# Altium PCB PCB_v1.PcbDoc (part 1 of 8)
Units mil, origin at the board's own origin, x right, y up, seen from the top; angles counter-clockwise.
Board outline 17000 x 5250 mil, 4 copper layers (Top Side, Ground Layer, Power Layer, Bottom Side), stack 33.2 mil thick; 637 components, 583 nets, 2779 pads, 978 vias.
Unrouted connection lines stored in the file: 104.
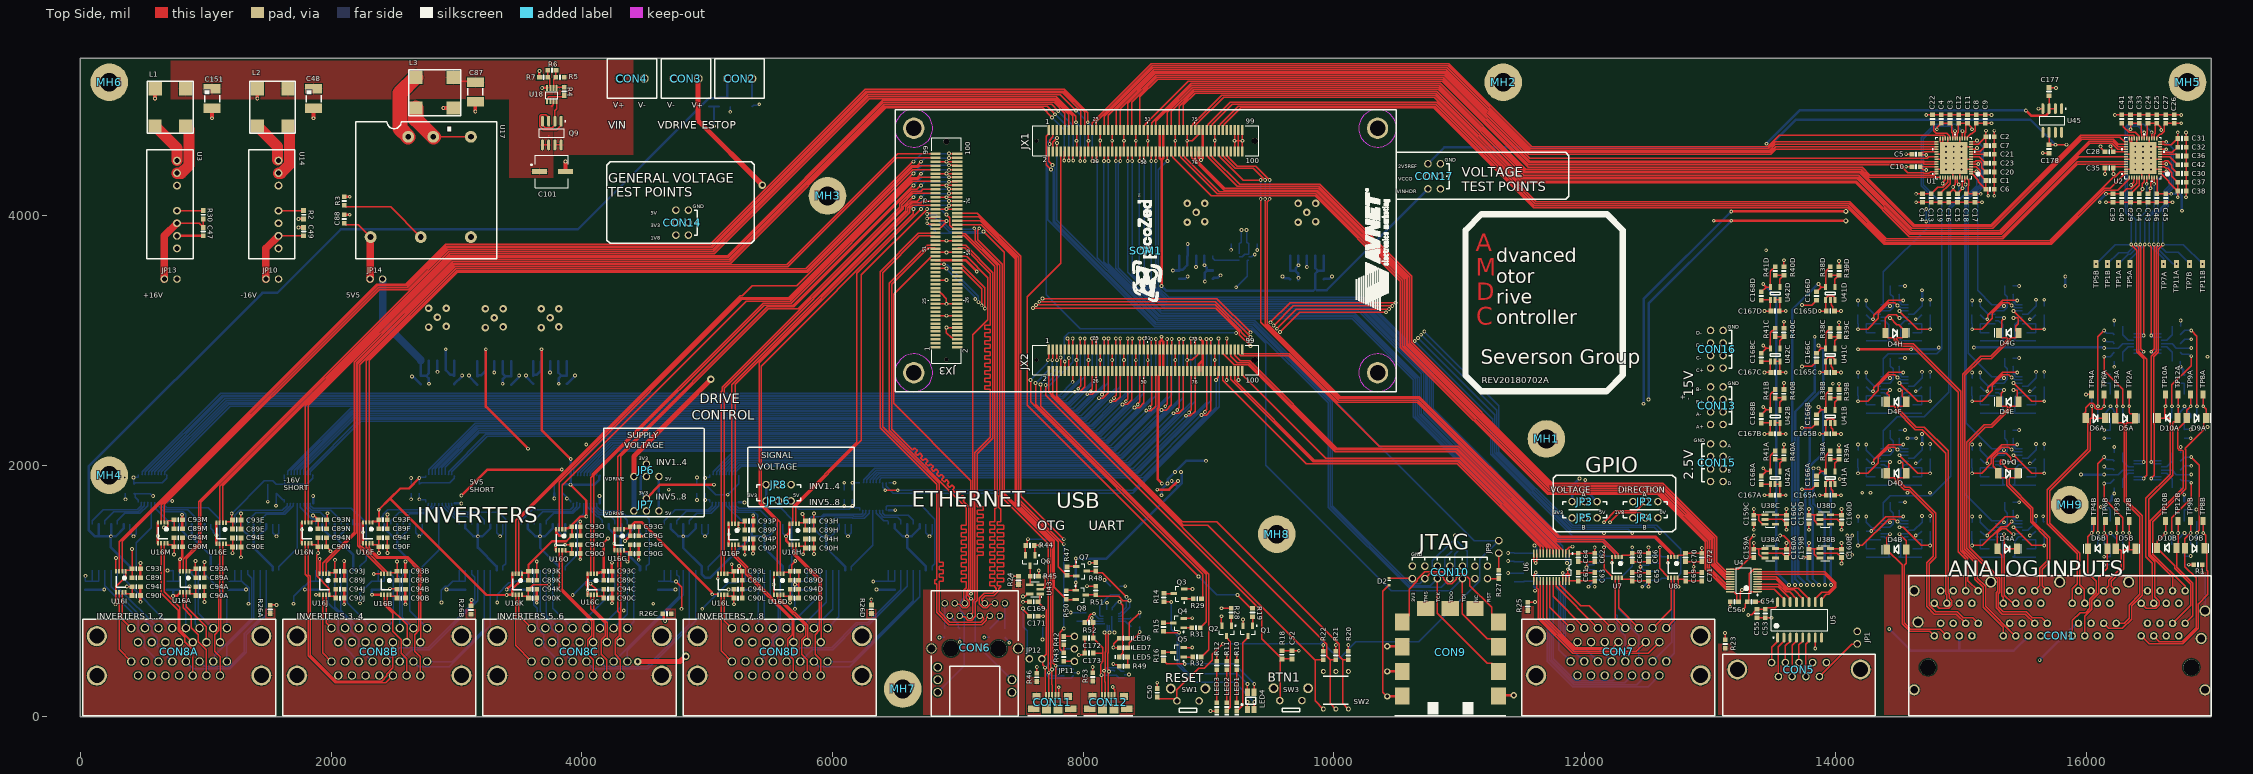
[diagram p0: Top Side view]
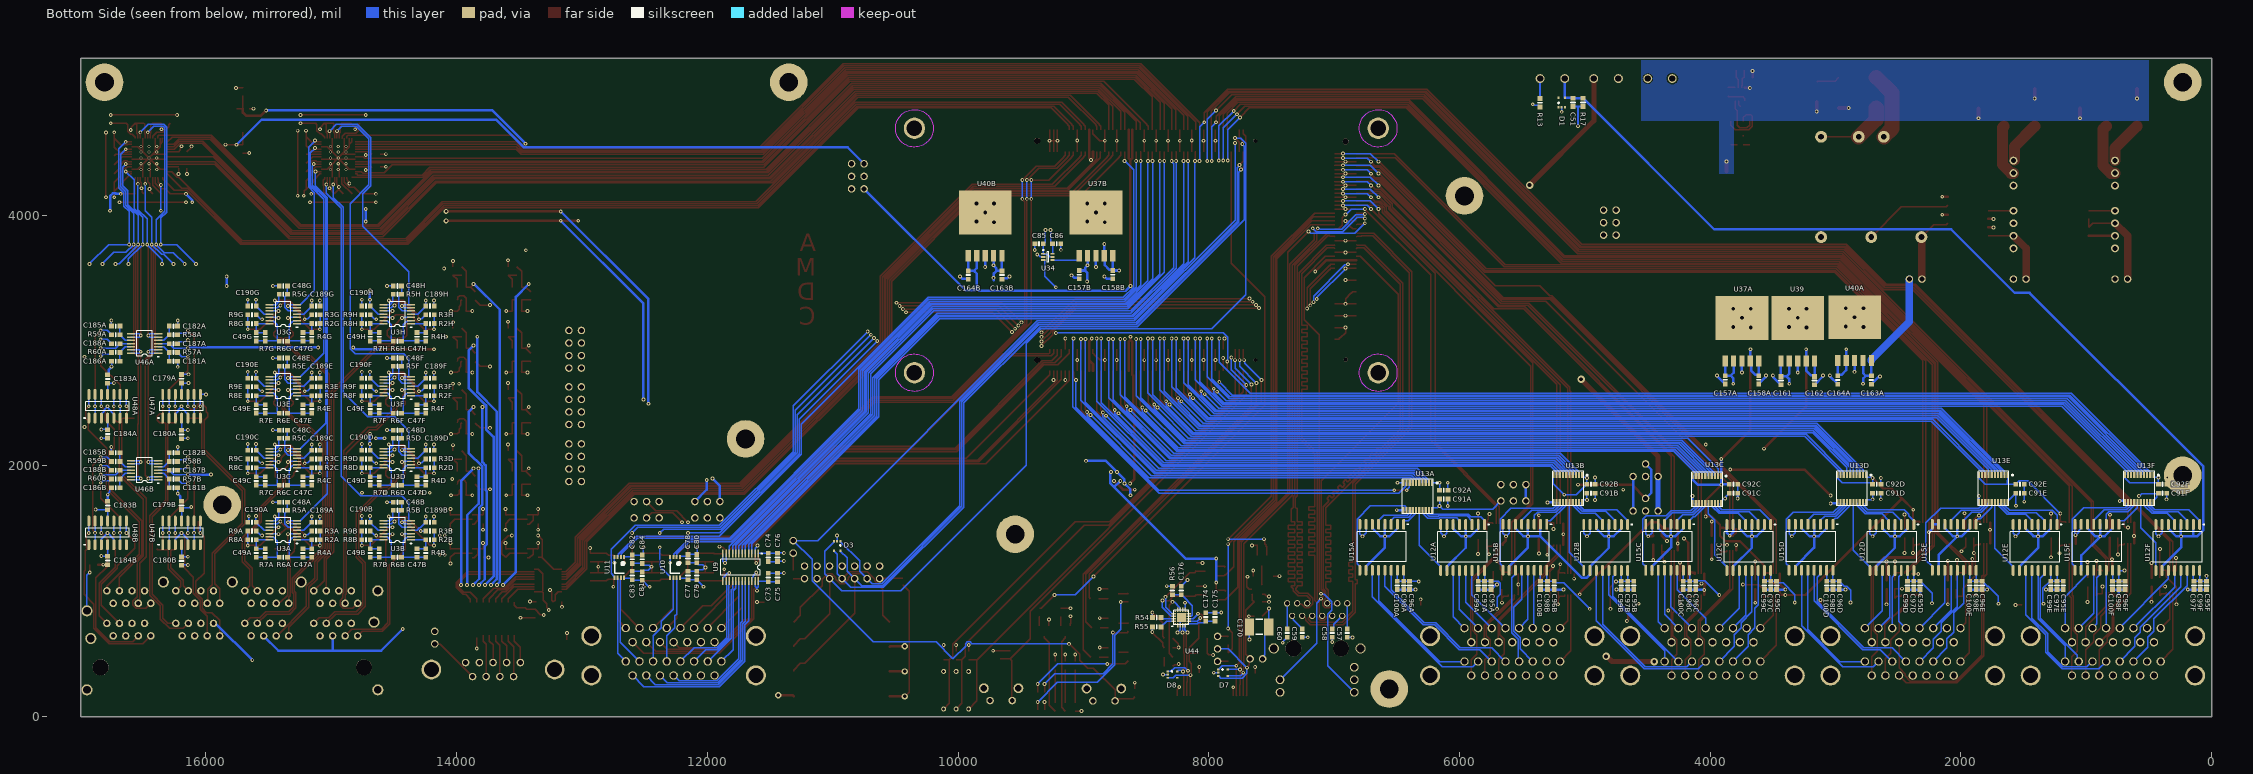
[diagram p1: Bottom Side view, seen from below]
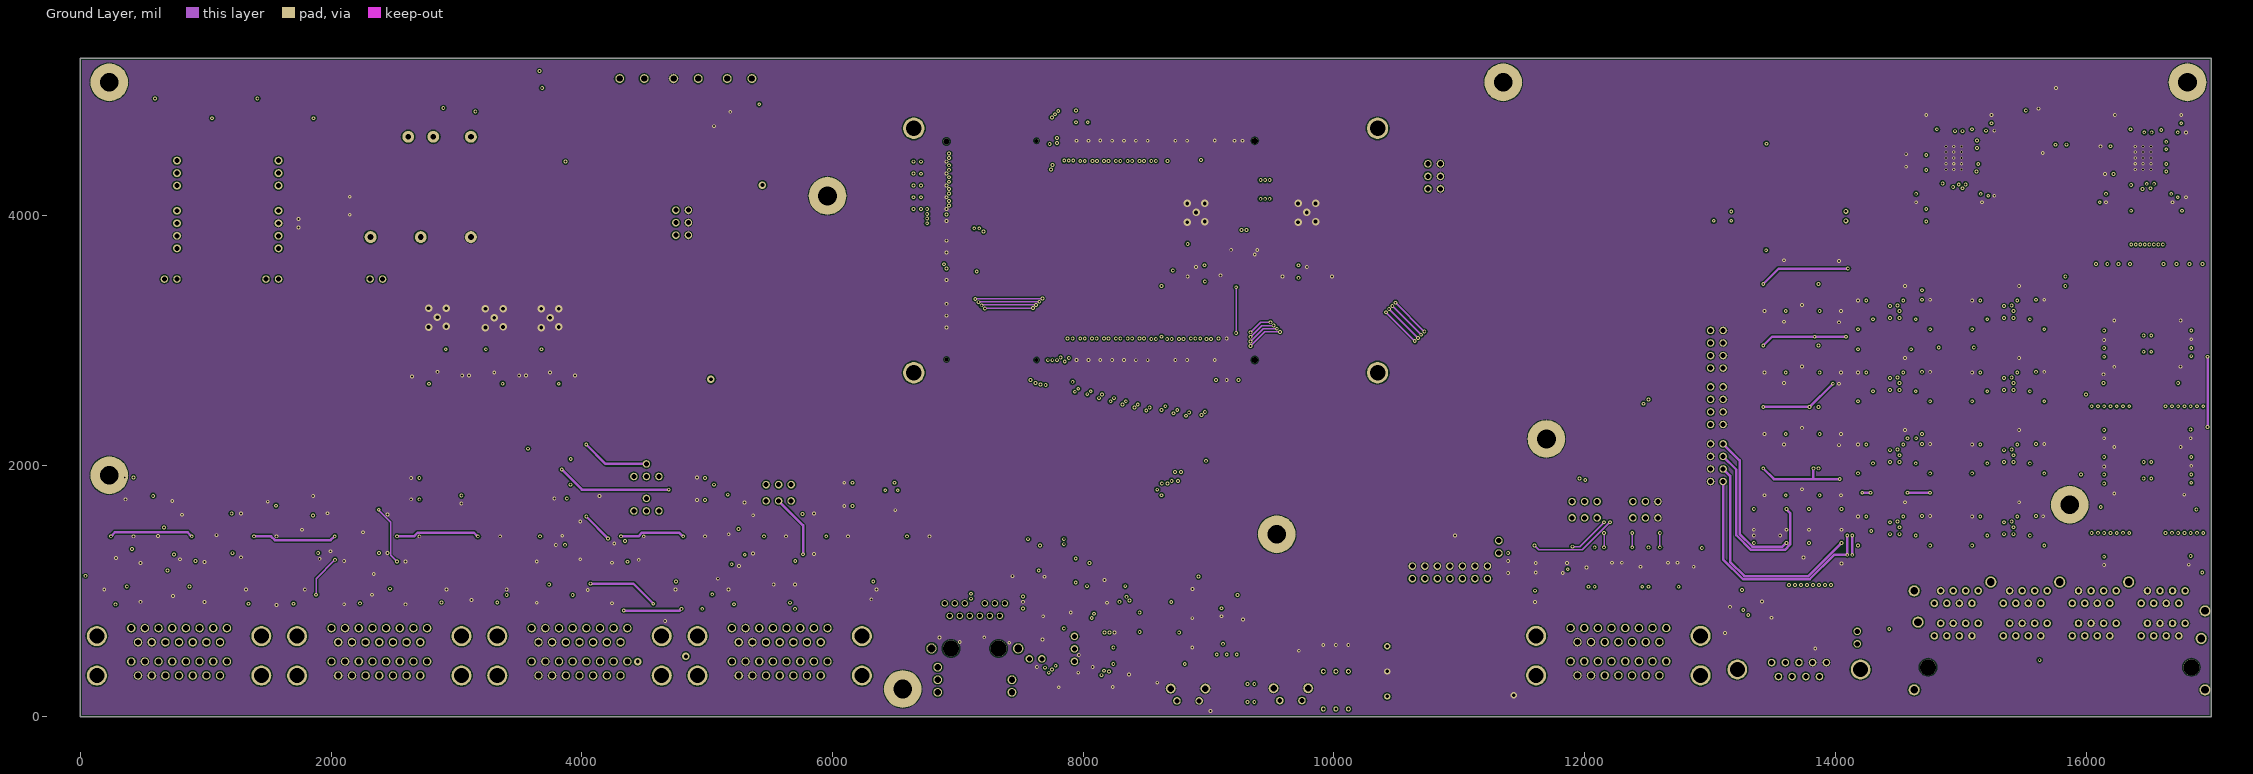
[diagram p2: Ground Layer]
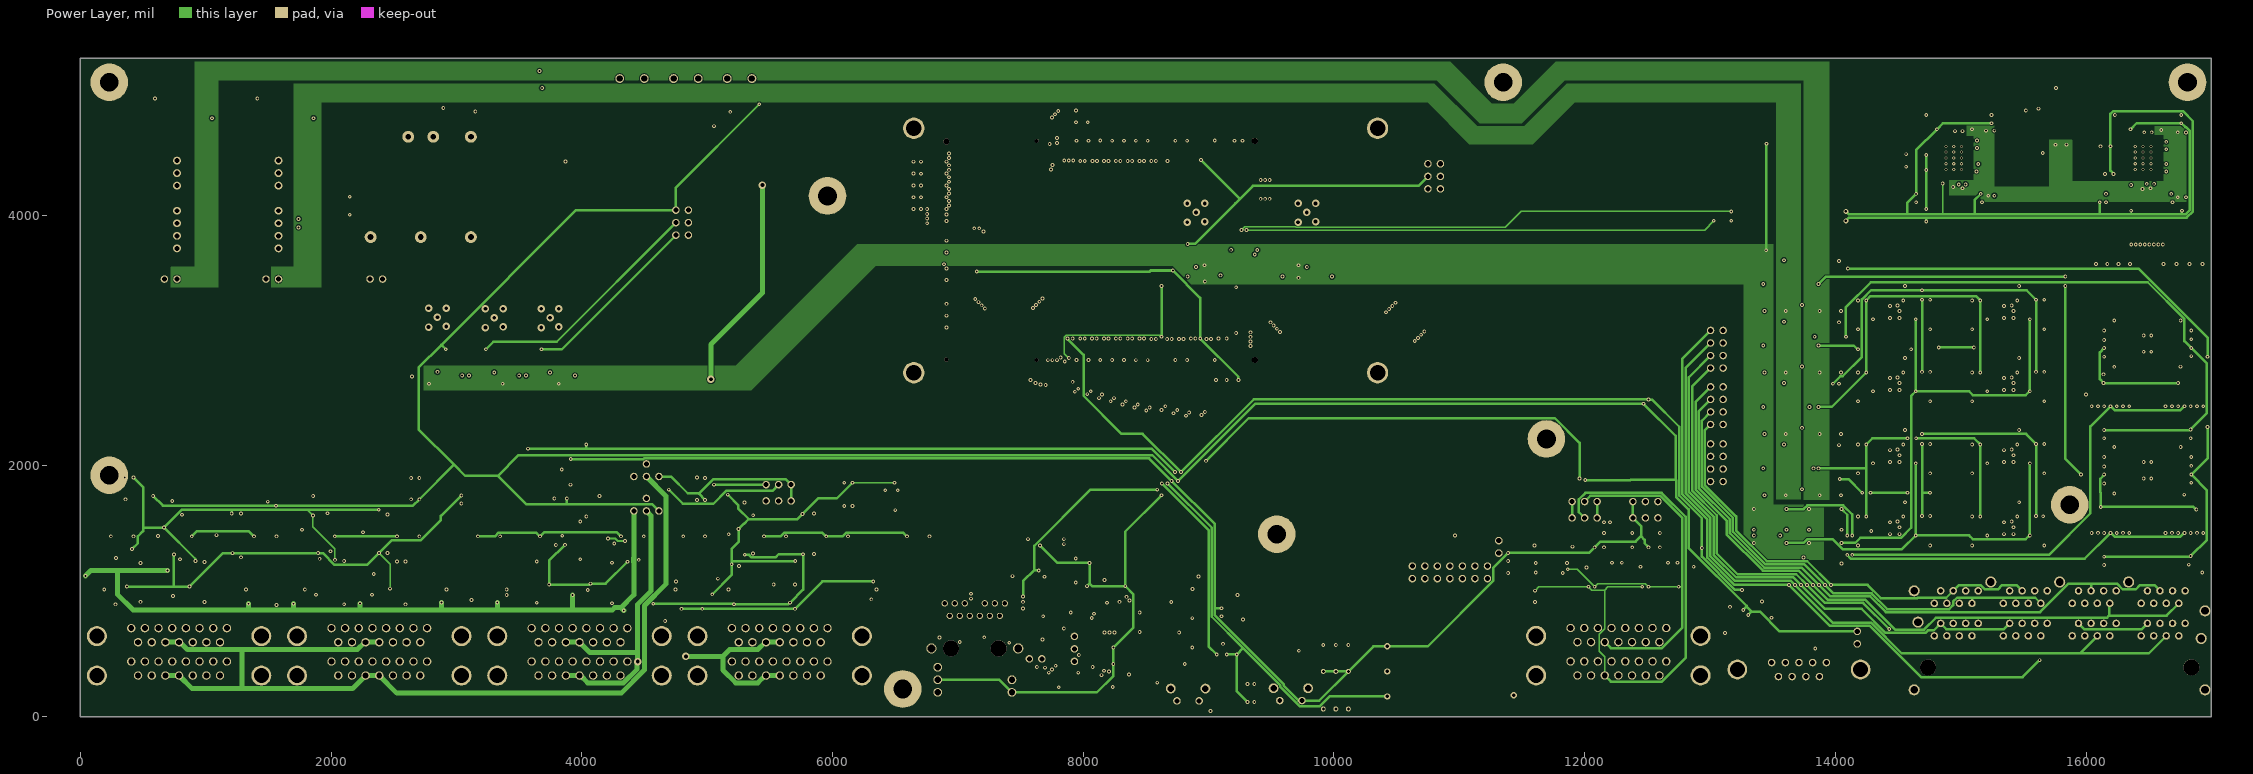
[diagram p3: Power Layer]

## Layer stack, top to bottom
Top Solder: solder mask 0.4, Solder Resist, Dk 3.5
Top Side: signal copper 1.4
Dielectric 1: core 12.6, FR-4, Dk 4.8
Ground Layer: signal copper 1.4
Dielectric 3: prepreg 5, Dk 4.2
Power Layer: signal copper 1.4
Dielectric 4: core 10, Dk 4.2
Bottom Side: signal copper 1.4
Bottom Solder: solder mask 0.4, Solder Resist, Dk 3.5

## Board outline
0,0 0,5250 17000,5250 17000,0

## Design rules (kind name [scope] priority, off if disabled: settings)
BoardOutlineClearance [All] p1: gap=15 ignorepadtopadclearanceinfootprint=FALSE
Clearance "Clearance Polygons" [InPolygon] p1: gap=10 ignorepadtopadclearanceinfootprint=FALSE except(0: Arc-Hole Track-Hole SMDPad-Hole THPad-Hole Via-Hole Fill-Hole Poly-Hole Region-Hole Text-Hole)
Clearance [All] p2: gap=5 ignorepadtopadclearanceinfootprint=FALSE except(0: Arc-Hole Track-Hole SMDPad-Hole THPad-Hole Via-Hole Fill-Hole Poly-Hole Region-Hole Text-Hole)
ComponentClearance "HM-TRP & UFL" [InComponent('X1') vs InComponent('U1')] p1: gap=0 collisioncheckmode=3 verticalgap=0 showdistances=FALSE
ComponentClearance [All] p2: gap=1 collisioncheckmode=3 verticalgap=1 showdistances=FALSE
DiffPairsRouting [All] p1: maxlimit=393.7 minlimit=5 mostfreqgap=8 toplayer_minwidth=5 toplayer_maxwidth=15 toplayer_prefwidth=8 midlayer1_minwidth=5 midlayer1_maxwidth=15 midlayer1_prefwidth=8 midlayer2_minwidth=5 midlayer2_maxwidth=15 midlayer2_prefwidth=8 bottomlayer_minwidth=5 bottomlayer_maxwidth=15 bottomlayer_prefwidth=8 maxuncoupledlength=500
Height [All] p1: minheight=0 maxheight=5000 prefheight=500
HoleSize [All] p1: absolutevalues=TRUE maxlimit=265 minlimit=11.81 maxpercent=80.000 minpercent=20.000
HoleToHoleClearance [All] p1: gap=10 allowstackedmicrovias=FALSE
MinimumAnnularRing [All] p1: minimumring=4
MinimumSolderMaskSliver [All] p1: minsoldermaskwidth=0
PlaneClearance [All] p1: clearance=10
PlaneConnect [All] p1: planeconnectstyle=Relief reliefexpansion=4 reliefentries=4 reliefconductorwidth=6 reliefairgap=6
PolygonConnect "Via connect style" [isVia] p1: connectstyle=Direct reliefconductorwidth=10 reliefentries=4 polygonreliefangle="90 Angle" airgapwidth=10
PolygonConnect [All] p2: connectstyle=Relief reliefconductorwidth=10 reliefentries=4 polygonreliefangle="90 Angle" airgapwidth=6
RoutingCorners [All] p1: cornerstyle=45-Degree minsetback=49.21 maxsetback=49.21
RoutingVias [All] p1: holewidth=12 width=22 viastyle="Through Hole" minholewidth=10 minwidth=18 maxholewidth=150 maxwidth=200
SilkToSilkClearance [All] p1: silktosilkclearance=0
SilkToSolderMaskClearance [IsPad] p1: minsilkscreentomaskgap=5 clearancetoexposedcopper=TRUE
SolderMaskExpansion [All] p1: expansion=2.5
Width GND [InNet('GND')] p1: maxlimit=40 minlimit=10 preferedwidth=20
Width Power [InNetClass('Power')] p2: maxlimit=40 minlimit=20 preferedwidth=30
Width 3V3 [InNetClass('3V3')] p3: maxlimit=40 minlimit=10 preferedwidth=20
Width [All] p4: maxlimit=400 minlimit=6 preferedwidth=10 minimp=50.000000 maximp=50.000000 favimp=50.000000
19 further rules are at their usual default settings.

## Classes and differential pairs
component class U_Power_Protection: C101 Q9 R4 R5 R6 R7 U18
component class AMDC: MH1 MH2 MH3 MH4 MH5 MH6 MH7 MH8 MH9
channel class TranslationDir2Chan: U_TranslationDESAT1 U_TranslationDESAT2 U_TranslationDESAT3 U_TranslationDESAT4 U_TranslationRDY1 U_TranslationRDY2 U_TranslationRDY3 U_TranslationRDY4 U_TranslationRST1 U_TranslationRST2 U_TranslationRST3 U_TranslationRST4 U_TranslationTEMP1 U_TranslationTEMP2 U_TranslationTEMP3 U_TranslationTEMP4
component class U_TranslationDESAT4: C89D C90D C93D C94D U16D
component class U_TranslationTEMP3: C89O C90O C93O C94O U16O
component class U_TranslationTEMP2: C89N C90N C93N C94N U16N
component class U_TranslationTEMP1: C89M C90M C93M C94M U16M
component class U_TranslationTEMP4: C89P C90P C93P C94P U16P
component class U_TranslationDESAT3: C89C C90C C93C C94C U16C
component class U_TranslationRST2: C89J C90J C93J C94J U16J
component class U_TranslationRST1: C89I C90I C93I C94I U16I
component class U_TranslationRDY4: C89H C90H C93H C94H U16H
component class U_TranslationRDY3: C89G C90G C93G C94G U16G
component class U_TranslationRDY2: C89F C90F C93F C94F U16F
component class U_TranslationRDY1: C89E C90E C93E C94E U16E
component class U_TranslationRST4: C89L C90L C93L C94L U16L
component class U_TranslationRST3: C89K C90K C93K C94K U16K
component class U_TranslationDESAT2: C89B C90B C93B C94B U16B
component class U_TranslationDESAT1: C89A C90A C93A C94A U16A
channel class Power_LDO_15V: U_Power_LDO_15V_A U_Power_LDO_15V_B U_Power_LDO_15V_C U_Power_LDO_15V_D
channel class Power_LDO_5V: U_Power_LDO_5V U_Power_LDO_5V_VIN_HDR
channel class Power_LDO_2V5: U_Power_LDO_2V5_A U_Power_LDO_2V5_B U_Power_LDO_2V5_C U_Power_LDO_2V5_D
channel class Power_LDO_1V8: U_Power_LDO_1V8 U_Power_LDO_1V8_VCCO
channel class LVHV8ChanTranslation: U_LVHV8ChanTranslation1 U_LVHV8ChanTranslation2 U_LVHV8ChanTranslation3 U_LVHV8ChanTranslation4 U_LVHV8ChanTranslation5 U_LVHV8ChanTranslation6
channel class InverterConnector: InverterConnector1AB InverterConnector2AB InverterConnector3AB InverterConnector4AB
channel class AnalogSigCond2: AnalogSigCond9_12 AnalogSigCond13_16
channel class AnalogSigCond1: AnalogSigCond1 AnalogSigCond2 AnalogSigCond3 AnalogSigCond4 AnalogSigCond5 AnalogSigCond6 AnalogSigCond7 AnalogSigCond8
component class U_USB_UART: C172 C173 C174 C175 C176 CON12 D8 LED5 LED6 LED7 Q7 Q8 R47 R48 R49 R50 R51 R52 R53 R54 R55 R56 U44
component class U_USB_OTG: C169 C170 C171 CON11 D7 JP11 JP12 Q6 R42 R43 R44 R45 R46 U43
component class U_Power: C47 C48 C49 C85 C86 C87 C88 C151 CON13 CON14 CON15 CON16 CON17 JP10 JP13 JP14 L1 L2 L3 R2 R3 R30 U3 U14 U17 U34
component class U_Power_REF_2V5: C177 C178 U45
component class U_Power_LDO_15V_D: C165D C166D C167D C168D R38D R39D R40D R41D U41D U42D
component class U_Power_LDO_15V_C: C165C C166C C167C C168C R38C R39C R40C R41C U41C U42C
component class U_Power_LDO_15V_B: C165B C166B C167B C168B R38B R39B R40B R41B U41B U42B
component class U_Power_LDO_15V_A: C165A C166A C167A C168A R38A R39A R40A R41A U41A U42A
component class U_Power_LDO_5V: C163A C164A U40A
component class U_Power_LDO_5V_VIN_HDR: C163B C164B U40B
component class U_Power_LDO_3V3: C161 C162 U39
component class U_Power_LDO_2V5_D: C159D C160D U38D
component class U_Power_LDO_2V5_C: C159C C160C U38C
component class U_Power_LDO_2V5_B: C159B C160B U38B
component class U_Power_LDO_2V5_A: C159A C160A U38A
component class U_Power_LDO_1V8: C157A C158A U37A
component class U_Power_LDO_1V8_VCCO: C157B C158B U37B
component class U_PicoZed: SOM1 T1
component class U_LVHV8ChanTranslation6: C91F C92F C95F C96F C97F C98F C99F C100F U12F U13F U15F
component class U_LVHV8ChanTranslation5: C91E C92E C95E C96E C97E C98E C99E C100E U12E U13E U15E
component class U_LVHV8ChanTranslation4: C91D C92D C95D C96D C97D C98D C99D C100D U12D U13D U15D
component class U_LVHV8ChanTranslation3: C91C C92C C95C C96C C97C C98C C99C C100C U12C U13C U15C
component class U_LVHV8ChanTranslation2: C91B C92B C95B C96B C97B C98B C99B C100B U12B U13B U15B
component class U_LVHV8ChanTranslation1: C91A C92A C95A C96A C97A C98A C99A C100A U12A U13A U15A
component class U_JTAG: CON9 CON10 D2 D3 JP9 R27
component class U_InverterTranslation: JP8 JP16
component class U_InverterConnectors: JP6 JP7
component class U_GPIO: C61 C62 C63 C64 C65 C66 C67 C68 C69 C70 C71 C72 C73 C74 C75 C76 C77 C78 C79 C80 C81 C82 C83 C84 CON7 JP2 JP3 JP4 JP5 R25 U6 U7 U8 U9 U10 U11
component class U_Gb_Ethernet: C57 C58 C59 C60 CON6 R24
component class U_Encoder: C53 C54 C55 C56 CON5 JP1 R23 U4 U5
component class U_BoardInterface: C50 C51 C52 CON2 CON3 CON4 D1 LED1 LED2 LED3 LED4 Q1 Q2 Q3 Q4 Q5 R10 R11 R12 R13 R14 R15 R16 R17 R18 R19 R20 R21 R22 R28 R29 R31 R32 SW1 SW2 SW3
component class U_AnalogConnectors: CON1 R1
component class U_AnalogADCs: C1 C2 C3 C4 C5 C6 C7 C8 C9 C10 C11 C12 C13 C14 C15 C16 C17 C18 C19 C20 C21 C22 C23 C24 C25 C26 C27 C28 C29 C30 C31 C32 C33 C34 C35 C36 C37 C38 C39 C40 C41 C42 C43 C44 C45 C46 U1 U2
component class InverterConnector4AB: CON8D R26D
component class InverterConnector3AB: CON8C R26C
component class InverterConnector2AB: CON8B R26B
component class InverterConnector1AB: CON8A R26A
component class AnalogSigCond13_16: C179B C180B C181B C182B C183B C184B C185B C186B C187B C188B D5B D6B D9B D10B R57B R58B R59B R60B TP1B TP2B TP3B TP4B TP5B TP6B TP7B TP8B TP9B TP10B TP11B TP12B U46B U47B U48B
component class AnalogSigCond9_12: C179A C180A C181A C182A C183A C184A C185A C186A C187A C188A D5A D6A D9A D10A R57A R58A R59A R60A TP1A TP2A TP3A TP4A TP5A TP6A TP7A TP8A TP9A TP10A TP11A TP12A U46A U47A U48A
component class AnalogSigCond8: C47H C48H C49H C189H C190H D4H R2H R3H R4H R5H R6H R7H R8H R9H U3H
component class AnalogSigCond7: C47G C48G C49G C189G C190G D4G R2G R3G R4G R5G R6G R7G R8G R9G U3G
component class AnalogSigCond6: C47F C48F C49F C189F C190F D4F R2F R3F R4F R5F R6F R7F R8F R9F U3F
component class AnalogSigCond5: C47E C48E C49E C189E C190E D4E R2E R3E R4E R5E R6E R7E R8E R9E U3E
component class AnalogSigCond4: C47D C48D C49D C189D C190D D4D R2D R3D R4D R5D R6D R7D R8D R9D U3D
component class AnalogSigCond3: C47C C48C C49C C189C C190C D4C R2C R3C R4C R5C R6C R7C R8C R9C U3C
component class AnalogSigCond2: C47B C48B C49B C189B C190B D4B R2B R3B R4B R5B R6B R7B R8B R9B U3B
component class AnalogSigCond1: C47A C48A C49A C189A C190A D4A R2A R3A R4A R5A R6A R7A R8A R9A U3A
differential pair ANLG16: +ANLG_P16 -ANLG_N16
differential pair ANLG15: +ANLG_P15 -ANLG_N15
differential pair ANLG14: +ANLG_P14 -ANLG_N14
differential pair ANLG13: +ANLG_P13 -ANLG_N13
differential pair ANLG12: +ANLG_P12 -ANLG_N12
differential pair ANLG11: +ANLG_P11 -ANLG_N11
differential pair ANLG10: +ANLG_P10 -ANLG_N10
differential pair ANLG9: +ANLG_P9 -ANLG_N9
differential pair ANLG8: +ANLG_P8 -ANLG_N8
differential pair ANLG7: +ANLG_P7 -ANLG_N7
differential pair ANLG6: +ANLG_P6 -ANLG_N6
differential pair ANLG5: +ANLG_P5 -ANLG_N5
differential pair ANLG4: +ANLG_P4 -ANLG_N4
differential pair ANLG3: +ANLG_P3 -ANLG_N3
differential pair ANLG2: +ANLG_P2 -ANLG_N2
differential pair ANLG1: +ANLG_P1 -ANLG_N1
differential pair USB_UART_D: +USB_UART_D_P -USB_UART_D_N
differential pair USB_OTG: +USB_OTG_P -USB_OTG_N
differential pair ETH_MD4: +ETH_MD4_P -ETH_MD4_N
differential pair ETH_MD3: +ETH_MD3_P -ETH_MD3_N
differential pair ETH_MD2: +ETH_MD2_P -ETH_MD2_N
differential pair ETH_MD1: +ETH_MD1_P -ETH_MD1_N

## Components (designator, comment, footprint, x,y, rotation, side; value= is the part's Value field where it differs from the comment)
C1 "Capacitor" 0603-CAP 15235,4275.79 r0 top value=100pF
C2 "Capacitor" 0603-CAP 15235,4626.54 r0 top value=100nF
C3 "Capacitor" 0603-CAP 14915,4766.54 r90 top value=10uF
C4 "Capacitor" 0603-CAP 14845,4766.54 r90 top value=0.1uF
C5 "Capacitor" 0603-CAP 14645,4486.54 r180 top value=0.1uF
C6 "Capacitor" 0603-CAP 15235,4206.54 r0 top value=100pF
C7 "Capacitor" 0603-CAP 15235,4555 r0 top value=100nF
C8 "Capacitor" 0603-CAP 15125,4766.54 r90 top value=10uF
C9 "Capacitor" 0603-CAP 15195,4766.54 r90 top value=0.1uF
C10 "Capacitor" 0603-CAP 14645,4386.54 r180 top value=0.1uF
C11 "Capacitor" 0603-CAP 15055,4766.54 r90 top value=100pF
C12 "Capacitor" 0603-CAP 14985,4766.54 r90 top value=100nF
C13 "Capacitor" 0603-CAP 14765,4136.54 r270 top value=10uF
C14 "Capacitor" 0603-CAP 14695,4136.54 r270 top value=0.1uF
C15 "Capacitor" 0603-CAP 14975,4136.54 r270 top value=100pF
C16 "Capacitor" 0603-CAP 14905,4136.54 r270 top value=100nF
C17 "Capacitor" 0603-CAP 15115,4136.54 r270 top value=10uF
C18 "Capacitor" 0603-CAP 15045,4136.54 r270 top value=0.1uF
C19 "Capacitor" 0603-CAP 14835,4136.54 r270 top value=10uF
C20 "Capacitor" 0603-CAP 15235,4345 r0 top value=10uF
C21 "Capacitor" 0603-CAP 15235,4486.54 r0 top value=10uF
C22 "Capacitor" 0603-CAP 14775,4766.54 r90 top value=10uF
C23 "Capacitor" 0603-CAP 15235,4415 r0 top value=1uF
C24 "Capacitor" 0603-CAP 16495,4766.54 r90 top value=100pF
C25 "Capacitor" 0603-CAP 16565,4766.54 r90 top value=100nF
C26 "Capacitor" 0603-CAP 16705,4766.54 r90 top value=10uF
C27 "Capacitor" 0603-CAP 16635,4766.54 r90 top value=0.1uF
C28 "Capacitor" 0603-CAP 16185,4506.54 r180 top value=0.1uF
C29 "Capacitor" 0603-CAP 16355,4136.54 r270 top value=10uF
C30 "Capacitor" 0603-CAP 16765,4332.04 r0 top value=10uF
C31 "Capacitor" 0603-CAP 16765,4612.04 r0 top value=100pF
C32 "Capacitor" 0603-CAP 16765,4542.04 r0 top value=100nF
C33 "Capacitor" 0603-CAP 16425,4766.54 r90 top value=10uF
C34 "Capacitor" 0603-CAP 16355,4766.54 r90 top value=0.1uF
C35 "Capacitor" 0603-CAP 16185,4375.8 r180 top value=0.1uF
C36 "Capacitor" 0603-CAP 16765,4472.04 r0 top value=10uF
C37 "Capacitor" 0603-CAP 16765,4262.04 r0 top value=100pF
C38 "Capacitor" 0603-CAP 16765,4192.04 r0 top value=100nF
C39 "Capacitor" 0603-CAP 16215,4136.54 r270 top value=10uF
C40 "Capacitor" 0603-CAP 16285,4136.54 r270 top value=0.1uF
C41 "Capacitor" 0603-CAP 16285,4766.54 r90 top value=10uF
C42 "Capacitor" 0603-CAP 16765,4402.04 r0 top value=1uF
C43 "Capacitor" 0603-CAP 16495,4136.54 r270 top value=100pF
C44 "Capacitor" 0603-CAP 16425,4136.54 r270 top value=100nF
C45 "Capacitor" 0603-CAP 16635,4136.54 r270 top value=10uF
C46 "Capacitor" 0603-CAP 16565,4136.54 r270 top value=0.1uF
C47 "Capacitor" 0603-CAP 980,3868.75 r90 top value=10uF
C47A "Capacitor" 0603-CAP 15226.63,1305 r90 bottom value="1nF, 1%" (schematic designator C47)
C47B "Capacitor" 0603-CAP 14316.63,1305 r90 bottom value="1nF, 1%" (schematic designator C47)
C47C "Capacitor" 0603-CAP 15226.63,1880 r90 bottom value="1nF, 1%" (schematic designator C47)
C47D "Capacitor" 0603-CAP 14316.63,1880 r90 bottom value="1nF, 1%" (schematic designator C47)
C47E "Capacitor" 0603-CAP 15226.63,2455 r90 bottom value="1nF, 1%" (schematic designator C47)
C47F "Capacitor" 0603-CAP 14316.63,2455 r90 bottom value="1nF, 1%" (schematic designator C47)
C47G "Capacitor" 0603-CAP 15226.63,3030 r90 bottom value="1nF, 1%" (schematic designator C47)
C47H "Capacitor" 0603-CAP 14316.63,3030 r90 bottom value="1nF, 1%" (schematic designator C47)
C48 "Capacitor" 1812-CAP 1860,4930 r90 top value="6.8uF, 50V"
C48A "Capacitor" 0603-CAP 15383.17,1710 r180 bottom value="33nF, 1%" (schematic designator C48)
C48B "Capacitor" 0603-CAP 14473.17,1710 r180 bottom value="33nF, 1%" (schematic designator C48)
C48C "Capacitor" 0603-CAP 15383.17,2285 r180 bottom value="33nF, 1%" (schematic designator C48)
C48D "Capacitor" 0603-CAP 14473.17,2285 r180 bottom value="33nF, 1%" (schematic designator C48)
C48E "Capacitor" 0603-CAP 15383.17,2860 r180 bottom value="33nF, 1%" (schematic designator C48)
C48F "Capacitor" 0603-CAP 14473.17,2860 r180 bottom value="33nF, 1%" (schematic designator C48)
C48G "Capacitor" 0603-CAP 15383.17,3435 r180 bottom value="33nF, 1%" (schematic designator C48)
C48H "Capacitor" 0603-CAP 14473.17,3435 r180 bottom value="33nF, 1%" (schematic designator C48)
C49 "Capacitor" 0603-CAP 1780,3868.75 r90 top value=10uF
C49A "Capacitor" 0603-CAP 15599.7,1305 r90 bottom value="1nF, 1%" (schematic designator C49)
C49B "Capacitor" 0603-CAP 14689.7,1305 r90 bottom value="1nF, 1%" (schematic designator C49)
C49C "Capacitor" 0603-CAP 15599.7,1880 r90 bottom value="1nF, 1%" (schematic designator C49)
C49D "Capacitor" 0603-CAP 14689.7,1880 r90 bottom value="1nF, 1%" (schematic designator C49)
C49E "Capacitor" 0603-CAP 15599.7,2455 r90 bottom value="1nF, 1%" (schematic designator C49)
C49F "Capacitor" 0603-CAP 14689.7,2455 r90 bottom value="1nF, 1%" (schematic designator C49)
C49G "Capacitor" 0603-CAP 15599.7,3030 r90 bottom value="1nF, 1%" (schematic designator C49)
C49H "Capacitor" 0603-CAP 14689.7,3030 r90 bottom value="1nF, 1%" (schematic designator C49)
C50 "Capacitor" 0603-CAP 8590,190 r270 top value=100nF
C51 "Capacitor" 0603-CAP 5094,4900 r90 bottom value=100nF
C52 "Capacitor" 0603-CAP 9665,492.6 r270 top value=100nF
C53 "Capacitor" 0603-CAP 13440,821.66 r270 top value=1uF
C54 "Capacitor" 0603-CAP 13330,915.24 r0 top value=100nF
C55 "Capacitor" 0603-CAP 13375,821.66 r270 top value=100nF
C56 "Capacitor" 0603-CAP 13194.21,915.24 r180 top value=100nF